# KiCad board Polished Amethyst.kicad_pcb (continued)
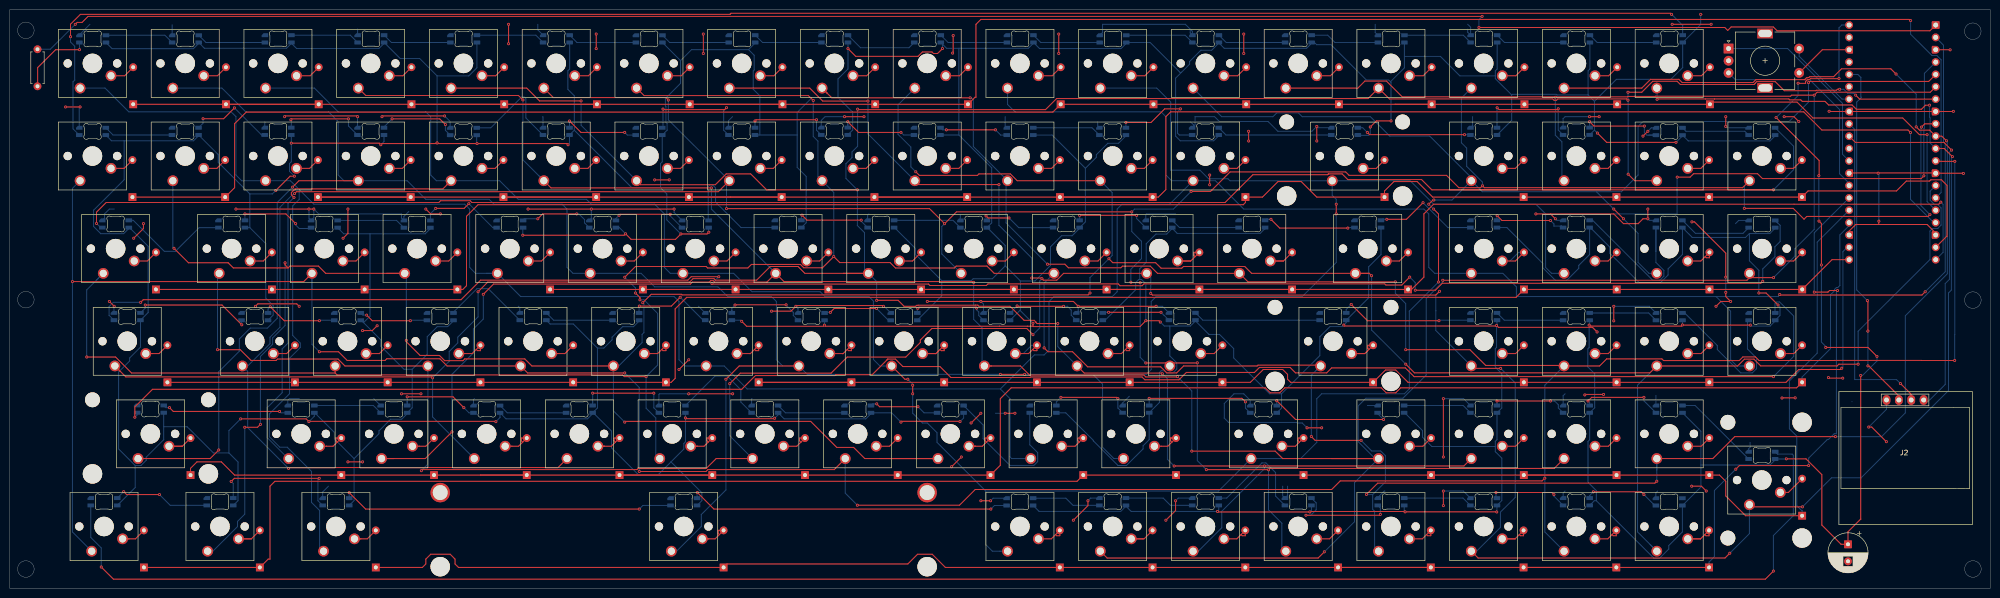
[diagram p0: board, top side]
## Routing (per net, layer and track width the routed paths; a pad name or vN(x,y) marks a point on that pad's centre or on a via; arc(x,y) is an arc through that point) (continued)
CLM2: length 727.2
  Top w0.2: v1(272.46,77) v1(272.46,79) ; v1(42.93,28.45) 41.16,26.68 26.35,26.68 SW72.1 ; v1(393.15,84.83) 392.59,84.27 360,84.27 358.99,85.27 345.84,85.27 345.14,84.56 v1(342.49,84.56) ; v1(147.09,42.99) 149.84,45.73 SW62.1 ; v1(58.08,82.5) 59.41,83.83 SW22.1 71.6,83.83 ; v1(203.46,44) v1(208.46,44)
  Bottom w0.2: v1(272.46,77) 272.46,67 265.46,60 235.46,60 234.46,59 234.46,45 233.46,44 222.46,44 ; SW12.1 235.58,102.88 238.46,100 238.46,86 244.46,86 246.23,84.23 250.23,84.23 250.64,83.82 SW32.1 ; v1(208.46,44) 222.46,44 ; 222.46,44 224.46,42 224.46,29 226.78,26.68 228.76,26.68 SW82.1 ; SW32.1 287.64,83.82 292.46,79 313.46,79 315.46,77 ; SW32.1 271.63,80.83 272.46,80 v1(272.46,79) ; 315.46,77 342.46,77 342.46,84.53 v1(342.49,84.56) ; 315.46,77 315.46,66 316.68,64.78 319.25,64.78 SW52.1 ; A1.4 393.26,105.91 393.26,94.62 393.15,94.51 v1(393.15,84.83) ; v1(42.93,28.45) 42.93,44.53 47.15,48.76 47.15,51.27 49.39,53.52 52.93,53.52 54.94,55.53 54.94,79.36 v1(58.08,82.5) ; 119.22,64.78 129.68,64.78 132.46,62 145.46,62 147.46,60 156.46,60 157.46,59 157.46,47 158.73,45.73 SW62.1 163.81,44 v1(203.46,44) ; 119.22,64.78 SW42.1 ; 119.22,64.78 115.68,64.78 114.46,66 114.46,78 113.46,79 99.46,79 98.46,80 85.46,80 81.63,83.83 SW22.1 68.63,83.83 67.46,85 67.46,96 65.46,98 48.46,98 43.58,102.88 SW2.1 ; v1(147.09,42.99) 147.09,20.22 142.04,15.17 142.04,12.7 136.97,7.63 136.43,7.63 ; 136.43,7.63 SW92.1 136.43,7.63
CLM3: length 675.1
  Top w0.2: v1(292.5,79.86) 292.5,79.96 292.46,80 v1(291.46,79) ; 89.81,82.99 SW23.1 89.81,82.99 ; 89.81,82.99 88.97,82.15 58.6,82.15 57.85,81.39 57.85,80.93 v1(58.39,80.38) ; v1(292.46,78) 293.46,77 v1(293.46,63) ; v1(329.46,78) v1(331.46,76) ; v1(185.46,41.76) v1(185.46,40) ; v1(369.46,104) 369.71,104.25 394.14,104.25 A1.5 ; SW63.1 183.87,43 v1(184.46,43)
  Bottom w0.2: v1(292.46,78) v1(291.46,79) ; 337.49,64.78 338.3,64.78 ; 337.49,64.78 336.68,64.78 334.46,67 334.46,73 v1(331.46,76) ; 337.49,64.78 338.3,64.78 SW53.1 ; 254.96,26.68 248.28,20 200.46,20 ; 254.96,26.68 SW83.1 ; 254.96,26.68 265.14,26.68 268.46,30 268.46,39 269.46,40 286.46,40 287.46,41 287.46,57 v1(293.46,63) ; SW3.1 62.58,102.88 67.46,98 85.46,98 86.46,97 86.46,85 87.63,83.83 SW23.1 100.63,83.83 104.46,80 118.46,80 119.46,79 132.46,79 134.46,77 134.46,66 135.68,64.78 138.27,64.78 ; 138.27,64.78 148.68,64.78 152.46,61 166.46,61 167.46,60 176.46,60 177.46,59 177.4,58.94 177.4,47.06 178.73,45.73 SW63.1 ; 138.27,64.78 SW43.1 ; v1(184.46,43) 185.46,42 v1(185.46,41.76) ; SW93.1 203.39,7.63 201.83,7.63 200.46,9 200.46,20 ; 200.46,20 190.46,30 190.46,32 188.46,34 187.46,34 185.46,36 v1(185.46,40) ; 300.2,83.83 302.47,81.56 325.9,81.56 ; 300.2,83.83 SW33.1 ; 300.2,83.83 300.2,84.46 291.66,93 283.46,93 279.46,97 265.46,97 264.66,97.8 260.25,97.8 259.46,97 248.93,97 SW13.1 ; 300.2,83.83 296.23,79.86 v1(292.5,79.86) ; 325.9,81.56 v1(329.46,78) ; 325.9,81.56 331.02,81.56 334.46,85 334.46,95 335.46,96 365.46,96 369.46,100 v1(369.46,104) ; v1(58.39,80.38) 57.15,79.15 57.15,50.42 55.95,49.22 55.95,40.23 52.92,37.19 52.92,30.95 57.19,26.68 57.31,26.68 SW73.1
CLM4: length 779.8
  Top w0.2: A1.6 394.46,102.03 371.24,102.03 v1(370.63,101.43) 366,101.43 365.78,101.2 338.05,101.2 338.01,101.17 332.37,101.17 332.28,101.08 317.54,101.08 ; 281.15,26.68 271.47,26.68 ; 281.15,26.68 271.47,26.68 ; 281.15,26.68 SW84.1 ; 271.47,26.68 261.44,26.68 259.91,28.21 v1(242.79,28.21) ; 357.35,63.89 356.81,63.35 v1(294.34,63.35) ; 357.35,63.89 357.35,64.78 ; 357.35,63.89 v1(362.26,63.89) ; 317.54,101.08 v1(317.45,100.99) 317.35,101.08 286.01,101.08 282.76,104.33 278.34,104.33 276.89,102.88 SW14.1 ; 317.54,101.08 317.63,101.17 ; v1(197.99,62.92) 197.82,63.09 159.02,63.09 157.32,64.78 ; 157.32,64.78 SW44.1 ; 157.32,64.78 155.52,62.97 144.79,62.97 144.48,63.28 143.98,63.28 143.68,62.97 140.21,62.97 139.81,62.57 99.37,62.57 v1(97.27,60.47) ; 201.62,45.73 SW64.1 201.62,45.73 ; 201.62,45.73 207.58,45.73 209.45,43.86 232.94,43.86 233.34,43.46 239.77,43.46 v1(239.84,43.53) ; v1(105.41,100.44) 104.49,101.35 73.12,101.35 71.6,102.88 SW4.1 ; v1(144.12,82.35) 111.18,82.35 109.7,83.83 SW24.1 ; SW74.1 76.36,26.68 78.94,26.68 ; 78.94,26.68 85.35,26.68 v1(90.83,32.16) ; 78.94,26.68 76.36,26.68 ; v1(270.01,7.49) 268.74,6.22 225.4,6.22 224,7.63 SW94.1
  Bottom w0.2: v1(105.41,100.44) 105.41,88.12 108.63,84.9 ; 109.7,83.83 108.63,84.9 ; 108.63,84.9 SW24.1 ; v1(317.45,100.99) 317.45,93.2 318.81,91.84 318.81,84.27 319.03,84.05 ; v1(97.27,60.47) 97.27,55.37 95.23,53.34 95.23,48.42 90.83,44.02 v1(90.83,32.16) ; 280.79,26.32 276.2,21.73 276.2,13.69 v1(270.01,7.49) ; 280.79,26.32 276.96,30.14 276.96,37.5 278.56,39.1 286.16,39.1 290.95,43.89 290.95,59.62 294.34,63.01 v1(294.34,63.35) ; 280.79,26.32 281.15,26.68 ; v1(242.79,28.21) 242.79,40.58 v1(239.84,43.53) ; 157.32,64.78 155.96,66.14 ; 157.32,64.78 SW44.1 ; 157.32,64.78 155.96,66.14 ; 155.96,66.14 144.12,77.98 v1(144.12,82.35) ; v1(197.99,62.92) 197.99,55.31 199.71,53.59 199.71,46.21 SW64.1 ; v1(370.63,101.43) 370.63,73.82 366.66,69.85 366.66,68.29 v1(362.26,63.89) ; 319.03,84.05 SW34.1 319.03,84.05
CLM5: length 763.7
  Top w0.2: 22.72,44.6 23.84,43.48 86.65,43.48 v1(86.85,43.28) ; 22.72,44.6 SW55.1 22.72,44.6 ; v1(332.38,102.03) 335.21,102.03 337.46,104.28 342.47,104.28 343.14,103.61 358.29,103.61 358.5,103.83 358.5,103.9 358.81,104.21 362.62,104.21 364.49,102.34 370.97,102.34 371.07,102.43 375.19,102.43 375.39,102.63 v1(375.86,102.63) ; v1(236.76,44.11) 236.6,44.27 220.7,44.27 219.97,45 ; v1(174.1,81.95) 155.47,81.95 152.18,85.23 147.16,85.23 144.92,83 129.58,83 SW25.1 ; v1(96.19,60.99) 98.18,62.97 139.64,62.97 140.35,63.68 144.65,63.68 144.95,63.38 153.4,63.38 156.21,66.19 161.91,66.19 163.32,64.78 171.22,64.78 ; v1(178.07,59.23) 182.47,59.23 183.69,58 186.08,58 186.27,58.19 186.55,58.19 186.59,58.23 198.33,58.23 198.34,58.24 198.84,58.24 199.07,58 205.46,58 208.34,55.11 210.42,55.11 210.77,54.76 210.77,54.69 211.01,54.45 v1(215.26,54.45) ; v1(332.38,100.39) 332.12,100.65 317.97,100.65 317.7,100.38 317.2,100.38 316.93,100.65 283.38,100.65 SW15.1 278.99,100.72 215.01,100.72 212.73,98.45 174.25,98.45 v1(174.14,98.55) ; v1(239.16,25.15) 239.17,25.16 v1(257.72,25.16) 298.68,25.16 SW85.1 300.2,26.68 ; v1(332.42,85.17) 333.76,83.83 SW35.1 338.3,83.83 ; 176.37,64.78 SW45.1 ; 176.37,64.78 171.22,64.78 ; 176.37,64.78 171.22,64.78 ; 219.97,45 SW65.1 219.97,45 ; A1.7 379.96,100.61 v1(379.14,101.43) ; v1(117.36,100.24) 108.83,100.24 106.19,102.88 SW5.1
  Bottom w0.2: 176.37,64.78 175.56,65.59 175.56,73.14 174.1,74.61 v1(174.1,81.95) 171.75,84.3 171.75,87.34 173,88.59 173,89.77 174.14,90.91 v1(174.14,98.55) ; 176.37,64.78 SW45.1 ; 176.37,64.78 178.07,63.08 v1(178.07,59.23) ; SW25.1 117.36,95.22 v1(117.36,100.24) ; SW65.1 215.26,49.71 v1(215.26,54.45) ; v1(239.16,25.15) 237.78,26.53 237.78,43.08 v1(236.76,44.11) ; v1(332.38,102.03) 332.38,102.02 v1(332.38,100.39) 332.42,100.35 v1(332.42,85.17) ; v1(257.72,25.16) 257.72,24.61 248.94,15.84 248.94,12.45 244.13,7.63 SW95.1 ; SW75.1 86.85,35.24 v1(86.85,43.28) 90.27,46.69 90.27,48.72 92.02,50.48 92.02,51.66 96.19,55.83 v1(96.19,60.99) ; v1(375.86,102.63) 376.69,102.63 377.51,101.82 378.75,101.82 v1(379.14,101.43)
CLM6: length 753.4
  Top w0.2: 237.45,46.34 243.89,46.34 v1(243.92,46.38) ; 237.45,46.34 v1(233.35,46.34) ; 237.45,46.34 237.67,46.34 SW66.1 ; 319.25,26.68 SW86.1 317.22,24.65 258.84,24.65 v1(258.55,24.37) 258.52,24.4 v1(245.77,24.4) ; v1(135.27,100.44) 134.78,100.93 111.65,100.93 109.7,102.88 SW6.1 ; SW76.1 114.46,26.68 112.61,24.83 57.43,24.83 v1(57.26,24.66) ; SW36.1 355.91,82.39 302.88,82.39 v1(302.49,82.78) 302.1,82.39 297.64,82.39 295.09,84.94 275.09,84.94 274.39,85.64 250.65,85.64 246.63,81.62 v1(242.65,81.62) ; v1(230.46,77.42) 194.45,77.42 v1(192.02,74.99) 188.92,78.09 v1(147.22,78.09) ; v1(58.5,81.19) 58.89,81.57 145.54,81.57 SW26.1 147.8,83.83 ; v1(392.66,94.87) 393.32,95.53 A1.9 ; v1(394.4,76.85) 394.02,76.48 369.1,76.48 368.54,75.92 366.32,78.14 v1(356.27,78.14) ; v1(232.19,62.86) 230.37,62.86 v1(230.28,62.95)
  Bottom w0.2: v1(392.66,94.87) 392.54,94.75 392.54,78.71 v1(394.4,76.85) ; 147.8,83.83 147.46,84.16 ; 147.46,84.16 147.13,84.5 ; 147.46,84.16 SW26.1 ; v1(135.27,100.44) 135.27,96.35 147.13,84.5 ; 147.13,84.5 147.22,84.41 v1(147.22,78.09) ; 48.33,45.73 48.87,45.73 53.45,50.31 53.45,51.63 55.5,53.68 55.5,78.37 58.32,81.19 v1(58.5,81.19) ; 48.33,45.73 SW56.1 ; 48.33,45.73 SW56.1 ; SW96.1 262.1,7.63 261.29,8.44 261.29,13.38 258.55,16.12 v1(258.55,24.37) ; 356.81,83.29 SW36.1 356.81,83.29 ; 356.81,83.29 356.27,82.75 v1(356.27,78.14) ; SW46.1 195.42,64.78 191.44,68.76 191.44,74.41 v1(192.02,74.99) ; v1(232.19,62.86) 232.19,47.5 v1(233.35,46.34) ; SW56.1 48.87,44.65 48.87,33.05 v1(57.26,24.66) ; v1(243.92,46.38) 243.92,26.25 v1(245.77,24.4) ; 300.2,102.88 SW16.1 298.16,100.84 298.16,91.63 299.25,90.54 299.25,86.78 302.49,83.54 v1(302.49,82.78) ; v1(242.65,81.62) 239.03,78 231.04,78 v1(230.46,77.42) 230.46,73.37 232.44,71.39 232.44,67.78 230.28,65.61 v1(230.28,62.95)
CLM7: length 750.7
  Top w0.2: 269.19,45.78 SW67.1 269.19,45.78 ; 269.19,45.78 269.08,45.89 256.39,45.89 256.22,45.73 241.11,45.73 239.69,44.3 237.65,44.3 236.4,45.55 221.4,45.55 218.29,48.65 213.25,48.65 v1(212.45,49.45) ; v1(267.33,31.21) 268.12,30.42 v1(277.56,30.42) ; v1(387.44,105.77) 386.36,106.85 376.24,106.85 374.61,105.22 369.68,105.22 369.52,105.05 369.38,105.05 369.33,105 369.04,105 368.66,104.61 358.65,104.61 358.05,104.02 343.51,104.02 342.84,104.68 337.02,104.68 335.21,102.88 SW17.1 ; v1(128.52,60.73) 129.44,59.82 v1(129.44,59.34) ; 66.84,45.01 SW57.1 66.84,45.01 ; 66.84,45.01 66.84,44.28 ; 66.84,44.28 67.24,43.88 125.87,43.88 126.22,43.53 v1(130.7,43.53) ; 66.84,44.28 25.02,44.28 21.74,47.56 v1(15.81,47.56) ; SW47.1 214.47,64.78 202.21,64.78 200.72,66.27 194.39,66.27 194,65.88 181.93,65.88 180.82,66.99 170.49,66.99 v1(169.24,68.24) 166.93,65.92 163.09,65.92 162.4,66.61 152.33,66.61 151.61,65.89 143.33,65.89 143.02,66.19 128.53,66.19 v1(126.31,63.98) ; v1(338.3,22.03) 337.9,21.62 280.98,21.62 v1(278.65,19.3) ; v1(397.78,92.05) 396.84,92.99 A1.10 394.33,94.24 392.25,94.24 v1(391.58,94.91) ; v1(374.99,31.19) 354.31,31.19 349.8,26.68 338.3,26.68 SW87.1 ; SW7.1 130.29,101.33 164.04,101.33 v1(165.04,100.33)
  Bottom w0.2: v1(267.33,31.21) 267.33,43.82 268.29,44.78 ; v1(387.44,105.77) 391.58,101.63 v1(391.58,94.91) ; 279.94,19.27 278.68,19.27 v1(278.65,19.3) ; 279.94,19.27 282.55,21.88 282.55,27.28 281.59,28.23 279.75,28.23 v1(277.56,30.42) ; 279.94,19.27 279.94,16.24 280.34,15.85 280.34,8.44 SW97.1 ; v1(15.81,47.56) 15.81,61.38 17.85,63.42 ; v1(374.99,31.19) 384.46,31.19 389.35,36.08 389.35,56.06 397.98,64.68 397.98,91.85 v1(397.78,92.05) ; SW37.1 17.85,63.42 ; 17.85,63.42 19.21,64.78 ; SW77.1 132.7,27.49 132.7,35.04 130.7,37.04 v1(130.7,43.53) 133.07,45.9 133.07,56.53 130.27,59.34 v1(129.44,59.34) ; 214.47,64.78 SW47.1 212.45,62.76 v1(212.45,49.45) ; v1(338.3,22.03) 338.3,24.35 ; 338.3,24.35 338.3,26.68 ; 338.3,24.35 338.3,26.68 SW87.1 ; v1(128.52,60.73) 128.52,61.77 v1(126.31,63.98) ; 268.29,44.78 SW67.1 268.29,44.78 ; v1(165.04,100.33) 165.04,92.93 166,91.97 166,84.68 SW27.1 169.24,81.43 v1(169.24,68.24)
CLM8: length 736
  Top w0.2: v1(209.94,63.82) 211.86,63.82 v1(212.01,63.67) 212.3,63.38 215.05,63.38 216.46,64.78 233.52,64.78 SW48.1 ; v1(394.32,99.36) 393.49,99.36 392.66,98.53 379.28,98.53 378.4,99.41 373.59,99.41 372.85,100.15 368.17,100.15 367.86,100.46 365.6,100.46 365.41,100.65 350.14,100.65 350.13,100.65 348.28,100.65 348.28,100.65 338.44,100.65 ; SW58.1 68.85,45.73 67.43,47.15 55,47.15 54.72,46.87 49.55,46.87 47.35,49.07 v1(42.67,49.07) ; SW88.1 357.75,16.75 v1(368.22,16.75) ; v1(147.89,42.08) 150.04,44.24 168.7,44.24 172.01,47.56 184.04,47.56 187.03,50.55 187.03,51.07 189.39,53.43 208.9,53.43 v1(210.17,52.16) ; v1(84.54,24.19) 84.76,24.41 128.83,24.41 129.05,24.63 143.04,24.63 145.09,26.68 152.56,26.68 SW78.1 ; v1(176.28,100.21) 166.99,100.21 164.32,102.88 SW8.1 ; v1(353.29,7.21) 352.31,6.22 301.6,6.22 300.9,6.93 ; A1.11 397.34,90.45 v1(399.01,88.78) ; 300.9,6.93 300.2,7.63 ; 300.9,6.93 SW98.1 ; v1(306.22,45.23) 300.7,45.23 300.2,45.73 SW68.1 ; v1(293.68,61.08) 292.91,60.31 234.71,60.31 v1(234.35,60.66) ; v1(338.35,100.57) 338.44,100.65 ; 338.44,100.65 338.5,100.71 ; SW28.1 185.9,83.83 186.69,83.03 v1(203.18,83.03)
  Bottom w0.2: v1(210.17,52.16) 211.55,53.55 211.55,63.21 v1(212.01,63.67) ; v1(42.67,49.07) 42.67,64.43 SW38.1 43.02,64.78 ; v1(293.68,61.08) 292.91,60.31 292.91,57.08 292.9,57.08 292.9,53.02 300.2,45.73 SW68.1 ; v1(353.29,7.21) 357.32,11.24 SW88.1 ; v1(234.35,60.66) 234.35,63.95 233.52,64.78 SW48.1 ; v1(147.89,42.08) 147.89,31.35 SW78.1 ; 185.9,83.83 SW28.1 176.28,93.45 v1(176.28,100.21) ; v1(306.22,45.23) 309.22,42.23 309.22,18.71 306.17,15.66 306.17,12.51 301.29,7.63 300.2,7.63 SW98.1 ; v1(209.94,63.82) 209.94,67.89 203.18,74.65 v1(203.18,83.03) ; v1(394.32,99.36) 394.32,96.87 394.43,96.76 394.43,91.6 A1.11 ; v1(338.35,100.57) 338.35,102.82 338.3,102.88 SW18.1 ; 85.89,44.7 SW58.1 85.89,44.7 ; 85.89,44.7 85.89,25.53 v1(84.54,24.19) ; v1(368.22,16.75) 374.2,22.73 380.27,22.73 398.21,40.67 398.21,60.75 398.8,61.34 398.8,88.57 v1(399.01,88.78)
CLM9: length 797.4
  Top w0.2: 167.85,101.88 168.85,100.88 v1(197.26,100.88) ; 167.85,101.88 SW9.1 167.85,101.88 ; 61.22,63.93 SW39.1 ; 61.22,63.93 62.07,64.78 ; 61.22,63.93 60.37,63.08 v1(12.88,63.08) ; v1(286.73,49.07) 299.92,49.07 303.16,45.83 319.15,45.83 319.2,45.78 ; v1(399.51,87.81) 395.68,87.81 A1.12 ; v1(284.6,63.02) 284.6,63.02 254.34,63.02 252.57,64.78 ; SW69.1 319.2,45.78 ; SW69.1 326.55,45.73 328,47.18 339.35,47.18 339.69,46.84 355.24,46.84 355.98,47.58 358.56,47.58 359.29,46.85 374.78,46.85 374.8,46.87 392.64,46.87 392.66,46.86 v1(399.48,46.86) ; SW69.1 319.25,45.73 319.2,45.78 ; SW79.1 171.61,26.68 169.34,24.41 143.4,24.41 143.01,24.03 v1(129.3,24.03) ; v1(126.31,44.29) 106.38,44.29 SW59.1 89.83,45.73 88.35,47.21 77.44,47.21 77.1,46.87 69.31,46.87 67.53,48.64 v1(63.6,48.64) ; v1(213.15,66.66) 216.72,66.66 217.46,65.92 228.21,65.92 228.55,66.26 234.26,66.26 235.74,64.78 252.57,64.78 ; 252.57,64.78 SW49.1 ; v1(174.1,17.09) 195.07,17.09 198.31,20.32 271.52,20.32 273.28,22.08 314.73,22.08 v1(315.3,22.65)
  Bottom w0.2: v1(284.6,63.02) 284.6,60.68 286.73,58.55 v1(286.73,49.07) ; 62.07,64.78 62.07,61.59 ; 62.07,61.59 62.07,50.17 v1(63.6,48.64) ; 62.07,61.59 SW39.1 ; SW29.1 204.8,83.68 ; SW29.1 204.8,83.68 ; SW29.1 197.91,90.87 197.91,100.47 197.51,100.88 v1(197.26,100.88) ; 204.8,83.68 204.65,83.53 204.65,75.15 v1(213.15,66.66) ; v1(399.51,87.81) 399.51,52.17 399.48,52.14 v1(399.48,46.86) ; v1(174.1,17.09) 171.61,19.57 SW79.1 171.61,26.68 ; v1(129.3,24.03) 129.3,41.3 v1(126.31,44.29) ; SW19.1 12.88,82.26 v1(12.88,63.08) 12.88,11.58 SW89.1 ; SW69.1 315.3,41.78 v1(315.3,22.65) 315.3,11.58 SW99.1
CLM10: length 747.7
  Top w0.2: SW50.1 279.23,64.78 279.23,64.78 ; v1(221.88,60.73) 221.49,60.35 138.08,60.35 137.96,60.47 131.75,60.47 v1(130.02,58.73) ; v1(126.31,34.17) 126.47,34.33 164.51,34.33 169.86,28.98 173.33,28.98 175.62,26.68 178.71,26.68 ; 57.19,65.9 57.55,66.27 63.41,66.27 64.89,64.78 77.46,64.78 ; 57.19,65.9 45.92,65.9 44.87,66.95 36.71,66.95 v1(33.73,69.93) ; 57.19,65.9 56.55,66.53 v1(56.55,66.95) ; 178.71,26.68 178.71,26.68 SW80.1 ; 178.71,26.68 190.66,26.68 ; v1(81.46,51) 81.46,50.72 84.28,47.89 88.26,47.89 89.33,46.82 93.09,46.82 93.45,47.18 105.78,47.18 107.24,45.73 SW60.1 ; 77.46,64.78 81.12,64.78 ; 77.46,64.78 81.12,64.78 ; 81.12,64.78 SW40.1 ; v1(286.73,46.1) 288.52,44.31 336.88,44.31 SW70.1 338.3,45.73 354.9,45.73 356.3,47.13 358.25,47.13 359.64,45.74 375.34,45.74 375.69,46.09 v1(379.65,46.09) ; 279.23,64.78 255.07,64.78 253.66,66.19 241.08,66.19 240.73,65.84 236.48,65.84 235.35,66.96 226.57,66.96 v1(225.75,67.78) ; 279.23,64.78 v1(279.72,64.29) ; v1(186.09,85.67) 186.84,84.93 198.77,84.93 199.07,85.23 205.53,85.23 206.93,83.83 SW30.1 224,83.83 ; v1(48.27,33.12) 50.89,33.12 v1(51.49,33.71)
  Bottom w0.2: SW30.1 224,83.83 226.43,81.4 226.43,68.46 v1(225.75,67.78) 221.88,63.91 v1(221.88,60.73) ; 124.53,45.73 SW60.1 ; 124.53,45.73 SW60.1 ; 124.53,45.73 125.07,45.73 129.88,50.54 129.88,52.21 130.26,52.59 130.26,58.49 v1(130.02,58.73) ; SW60.1 123.99,36.5 v1(126.31,34.17) ; 338.3,7.63 336.93,8.99 ; 336.93,8.99 334.34,11.58 334.34,41.77 SW70.1 338.3,45.73 ; 336.93,8.99 338.3,7.63 SW100.1 ; v1(81.46,51) 81.46,64.44 81.29,64.61 ; A1.14 394.44,81.69 394.44,79.83 395.37,78.9 396.02,78.9 396.69,78.24 396.69,74.7 396,74.01 394.94,74.01 394.4,73.47 394.4,67.62 379.65,52.87 v1(379.65,46.09) ; v1(51.49,33.71) 51.49,47.69 53.99,50.2 53.99,51.49 56.55,54.05 v1(56.55,66.95) ; v1(186.09,85.67) 185.09,86.68 185.09,90.74 182.45,93.37 182.45,99.43 SW10.1 185.9,102.88 ; 81.29,64.61 81.12,64.78 ; 81.29,64.61 SW40.1 ; SW20.1 33.5,70.16 v1(33.73,69.93) ; v1(48.27,33.12) 48.27,15.24 46.78,13.75 46.78,12.69 41.72,7.63 SW90.1 ; v1(279.72,64.29) 279.72,53.11 v1(286.73,46.1)
EC-A: length 40.5
  Bottom w0.2: A1.29 376.44,89.27 376.44,99.74 365.17,111.01 SW101.A
EC-B: length 42.4
  Bottom w0.2: A1.27 377.8,83.3 375.84,85.26 375.84,98.47 369.71,104.61 354.44,104.61 SW101.B
ECSW-A: length 15.5
  Bottom w0.2: SW101.S2 367.54,109.42 376.35,100.61 A1.34
I2C3.3: length 73.5
  Top w0.2: v1(381.66,52.9) 381.66,58.89 381.49,59.06 381.55,59.12 v1(381.55,59.17) ; v1(381.66,45.74) 381.72,45.8 381.72,45.85 388.02,39.55 J2.2
  Bottom w0.2: A1.36 379.59,105.69 380.18,105.1 380.21,105.1 380.21,101.07 380.32,100.96 379.35,99.99 379.35,61.37 v1(381.55,59.17) ; v1(381.66,52.9) 381.6,52.9 381.49,52.79 381.66,52.62 v1(381.66,45.74)
I2C SCL: length 67.1
  Top w0.2: v1(388.33,42.12) 390.56,39.89 J2.3
  Bottom w0.2: v1(388.33,42.12) 387.53,42.92 378.95,42.92 378.95,94.38 A1.32
I2C SDA: length 77
  Top w0.2: v1(398.84,90.13) 397.26,91.71 379.08,91.71 A1.31
  Bottom w0.2: v1(398.84,90.13) 398.4,89.69 398.4,63.54 397.54,62.68 397.54,41.94 393.97,38.37 393.46,38.37 J2.4
LED: length 397.2
  Top w0.2: v1(13.46,116) 13.85,116.39 14.85,116.39 16.09,117.62 v1(302.42,117.62) ; v1(301.77,115.34) 352.27,115.34 352.86,114.75 353.57,115.45 362.22,115.45 363,114.67 394.4,114.67 A1.1
  Bottom w0.2: v1(302.42,117.62) 301.77,116.97 v1(301.77,115.34) ; v1(13.46,116) 8.33,110.87 R1.1
ROW1: length 497.5
  Top w0.2: D6.1 D5.1 D4.1 ; v1(390.43,116.77) 390.2,117 199.46,117 198.46,116 198.46,101 198.26,101 D10.1 D1.1 ; D7.1 D8.1 ; D2.1 D3.1
  Bottom w0.2: A1.15 396.69,81.4 396.69,108.71 395.81,109.59 394.8,109.59 390.43,113.96 v1(390.43,116.77)
ROW2: length 411
  Top w0.2: D15.1 284.54,99.55 ; 284.54,99.55 D16.1 D17.1 D18.1 349.66,100 367.1,100 370.37,96.73 388.81,96.73 392.23,93.3 v1(393.82,93.3) ; 284.54,99.55 D14.1 D13.1 D12.1 D11.1 214.25,97.94 48.57,97.94 46.18,95.56 46.18,82.39 D20.1 D19.1
  Bottom w0.2: A1.16 393.82,79.51 v1(393.82,93.3)
ROW3: length 461.1
  Top w0.2: D29.1 D30.1 ; D30.1 148.05,80.46 ; D30.1 235.92,80.46 237.46,82 237.46,97 238.46,98 368.46,98 372.2,94.26 389.89,94.26 v1(390.41,93.74) ; D26.1 148.05,80.46 ; 148.05,80.46 148.05,80.46 ; 148.05,80.46 D25.1 ; 148.05,80.46 D23.1 ; D23.1 D24.1 ; D23.1 D21.1 D22.1 ; D27.1 D28.1
  Bottom w0.2: v1(390.41,93.74) 390.41,79.99 395.19,75.21 A1.17
ROW4: length 407
  Top w0.2: D36.1 D35.1 D33.1 292.27,80.46 289.07,83.66 284.31,83.66 282.38,81.72 D32.1 268.46,80.46 265.26,83.66 260.5,83.66 257.3,80.46 D31.1 253.8,79.34 253.35,78.89 96.19,78.89 93.81,76.51 93.81,62.22 93.06,61.47 D40.1 D39.1 D37.1 ; D36.1 368.1,79.93 ; D36.1 369.37,81.73 387.53,81.73 389.56,83.76 394.33,83.76 394.59,84.02 396.75,84.02 397.91,82.86 397.91,72.46 A1.19
ROW5: length 370.5
  Top w0.2: v1(396.64,79.42) 396.22,79 292.46,79 290.46,77 290.46,64 287.93,61.47 D50.1 225.3,61.47 ; 225.3,61.47 D48.1 D49.1 ; 225.3,61.47 D47.1 ; 225.3,61.47 D47.1 ; D46.1 D45.1 ; D41.1 D42.1 D44.1 D47.1
  Bottom w0.2: A1.20 397.1,69.11 397.1,78.96 v1(396.64,79.42)
ROW6: length 364.2
  Top w0.2: D55.1 D57.1 D58.1 D59.1 D60.1 135.86,42.36 136.67,43.17 136.67,57.46 139.05,59.84 309.39,59.84 D51.1 D52.1 D54.1 374.29,67.59 A1.21
ROW7: length 273.3
  Top w0.2: D62.1 D63.1 D65.1 D66.1 254.82,42.36 257.46,45 261.46,45 262.46,44 262.46,43 263.1,42.36 D67.1 282.57,44.89 284.67,44.89 287.21,42.36 D68.1 D70.1 364.82,42.36 367.46,45 376.03,45 v1(376.28,45.26) ; D62.1 D61.1 D62.1
  Bottom w0.2: v1(376.28,45.26) 376.52,45.49 376.52,69.24 377.41,70.13 A1.22
ROW8: length 417.4
  Top w0.2: 96.67,23.28 D77.1 ; 96.67,23.28 D74.1 D73.1 46.18,23.28 43.46,26 38.46,26 37.14,24.68 37.14,23.37 ; 96.67,23.28 D75.1 ; D77.1 D76.1 ; D77.1 D78.1 D79.1 D80.1 203.46,25.3 203.46,39 205.69,41.23 257.89,41.23 258.92,40.21 260.86,40.21 261.88,41.23 281.7,41.23 282.73,40.21 284.67,40.21 285.7,41.23 367.01,41.23 D71.1 ; 37.14,23.37 D72.1 37.14,23.37
  Bottom w0.2: A1.24 377.8,74.59 375.9,72.69 375.9,62.29 375.45,61.84 375.17,61.84 374.82,61.49 374.82,61.21 373.98,60.37 373.98,49.3 368.14,43.46 D71.1
ROW9: length 450.6
  Top w0.2: D85.1 D84.1 D83.1 D81.1 219.21,22 54.46,22 53.46,21 53.46,6 53.08,6 D90.1 D89.1 ; D85.1 D87.1 351.18,23.28 352.46,22 352.46,19 356.54,14.92 D88.1 ; D85.1 D86.1
  Bottom w0.2: D88.1 368.15,16.02 368.01,16.02 367.05,16.99 367.05,31.29 365.53,32.8 365.53,42.65 371.24,48.36 371.24,71.19 A1.25
ROW10: length 421.5
  Top w0.2: v1(354.52,24.5) 355.26,25.23 v1(369.49,25.23) ; v1(375.42,61.24) 373.77,61.24 373.45,60.92 v1(370.64,60.92) ; 329.98,4.29 D99.1 D98.1 ; 329.98,4.29 D93.1 192.17,4.29 189.46,7 186.46,7 184.46,5 147.33,5 D92.1 92.17,4.29 91.46,5 91.46,6 90.46,7 86.46,7 85.46,6 85.46,5 84.75,4.29 D91.1 ; 329.98,4.29 D100.1 ; D96.1 D97.1
  Bottom w0.2: v1(369.49,25.23) 369.49,26.77 373.31,30.59 373.54,30.59 374.74,31.79 375.19,31.79 375.19,61.01 v1(375.42,61.24) ; v1(370.64,60.92) 370.64,73.13 A1.26 ; D100.1 349.03,5.39 350.13,6.49 350.13,20.1 v1(354.52,24.5)
Row Eight: length 33.5
  Bottom w0.2: 196.27,37.24 199.93,33.58 199.93,30.78 205.43,25.28 210.35,25.28 211.14,26.06 211.14,27.9 209.51,29.52 LED81.3 ; 196.27,37.24 LED80.2 196.27,37.24
Row Five: length 26.3
  Top w0.2: v1(282.84,75.89) 286.87,75.89 v1(290.29,79.31)
  Bottom w0.2: 295.7,74.19 LED51.3 295.7,74.19 ; 295.7,74.19 295.4,74.19 v1(290.29,79.31) ; v1(282.84,75.89) 281.85,75.89 LED50.2
Row Four: length 17.9
  Top w0.2: v1(94.3,79.11) 93.33,78.14 v1(87.49,78.14)
  Bottom w0.2: 86.4,75.73 LED40.2 86.4,75.73 ; 86.4,75.73 86.4,77.05 v1(87.49,78.14) ; v1(94.3,79.11) 99.24,74.17 LED41.3
Row Nine: length 28
  Top w0.2: v1(63.57,22.61) 46.13,22.61 v1(45.49,21.97)
  Bottom w0.2: LED90.2 45.91,21.55 v1(45.49,21.97) ; LED91.3 63.3,18.02 63.3,22.34 v1(63.57,22.61)
Row One: length 14.2
  Bottom w0.2: LED10.2 192.73,112.26 LED11.3
Row Seven: length 32
  Bottom w0.2: LED70.2 344.02,56.63 350.72,49.93 350.72,49.11 355.53,44.3 357.92,44.3 358.79,45.17 358.79,47.35 356.92,49.22 356.92,54.88 LED71.3
Row Six: length 17.7
  Top w0.2: v1(129.31,58.05) 135.89,58.05 v1(137.71,59.86)
  Bottom w0.2: v1(129.31,58.05) 129.26,58 LED60.2 ; LED61.3 142.43,55.14 v1(137.71,59.86)
Row Three: length 21.9
  Top w0.2: v1(240.46,98.61) 237.22,98.61 234.43,95.82 v1(229.25,95.82)
  Bottom w0.2: v1(229.25,95.82) LED30.2 ; LED31.3 240.23,93.23 239.86,93.6 239.86,98.01 v1(240.46,98.61)